# KiCad board TEST.kicad_pcb (continued)
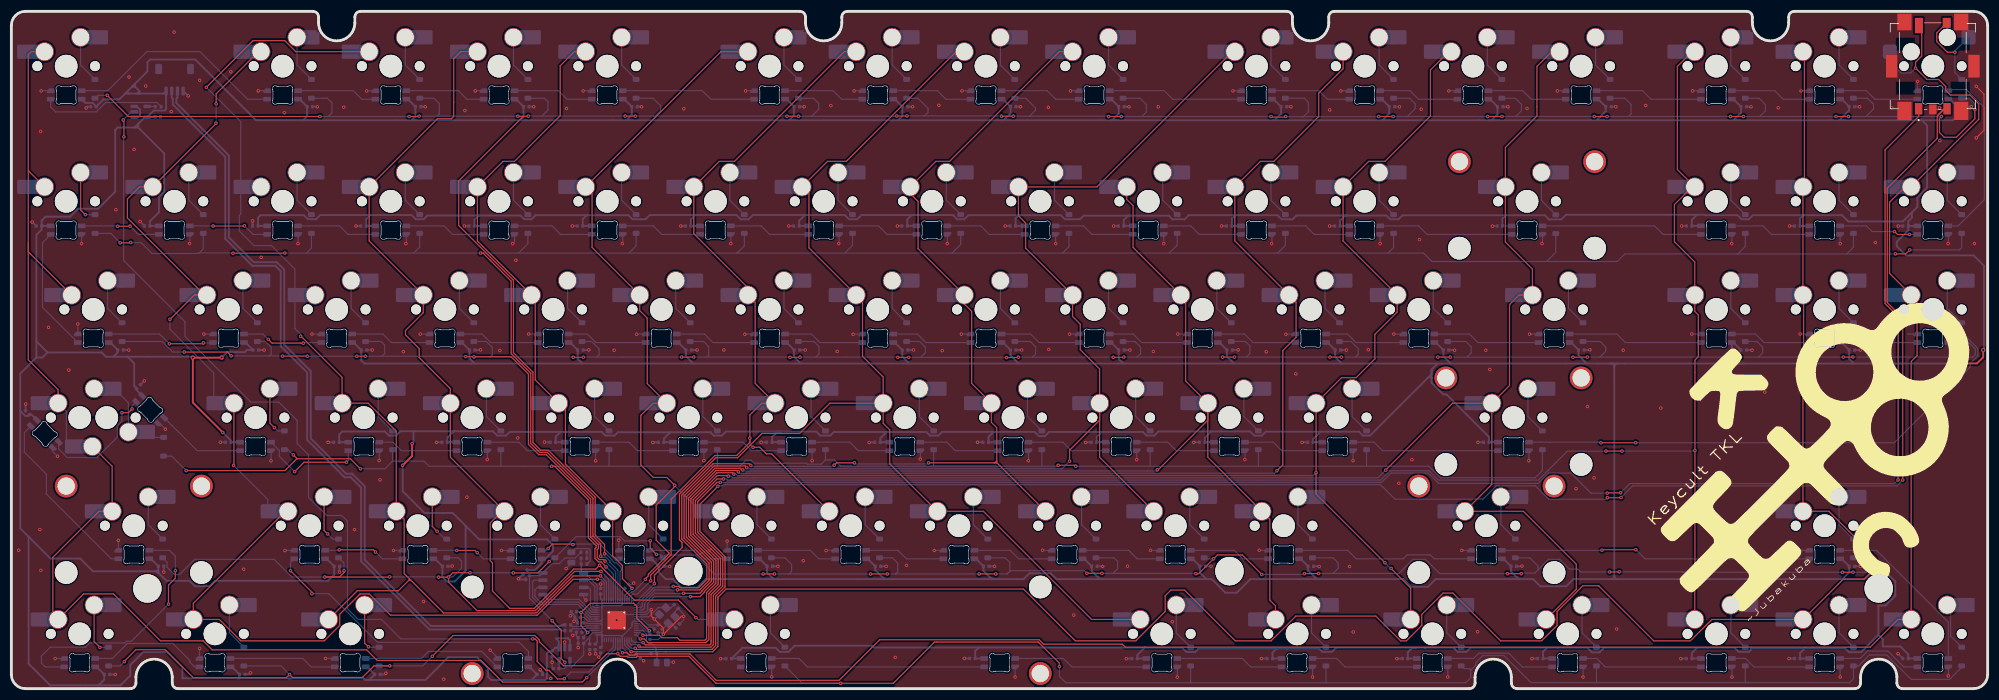
[diagram p0: board, top side]
## Routing (per net, layer and track width the routed paths; a pad name or vN(x,y) marks a point on that pad's centre or on a via; arc(x,y) is an arc through that point) (continued)
/CS_: length 10.6
  Bottom w0.2: U3.56 103.12,18.23 100.97,20.38 100.76,20.38 100.31,20.83 R5.2 100.3,21.95 R4.2 ; 100.34,20.37 100.33,20.38 100.33,21.4
/D+: length 139.6
  Bottom w0.33: R6.2 96.98,11.23 96.79,11.05 73.86,11.05 62.2,22.7 62.2,35.66 60,37.87 58.92,37.87 52.7,44.08 52.7,55.94 48.04,60.6 48.04,73.81 46.73,75.13 42.67,75.13 38.28,79.51 38.28,93.94 29.05,103.17 29.05,103.93 29.23,104.12 J1.3
/D-: length 140.6
  Bottom w0.33: J1.2 28.23,104.12 28.42,103.93 28.42,102.91 37.65,93.68 37.65,79.25 42.41,74.5 46.47,74.5 47.41,73.55 47.41,60.34 52.07,55.68 52.07,43.82 58.66,37.24 59.74,37.24 61.57,35.4 61.57,22.44 73.6,10.42 96.79,10.42 96.98,10.23 R7.1
/RGBD: length 22.2
  Bottom w0.2: R1.2 25.61,103.26 16.61,103.26 14.95,101.6 7.78,101.6 6.93,102.46 LED1.3
/ROTDI: length 17.1
  Top w0.2: S1.E 338.95,115.53 338.95,113.98 340.82,112.11 v1(342.14,112.11)
  Bottom w0.2: 342.14,112.33 v1(342.14,112.11) ; 342.14,112.33 MX16.2 ; 342.14,112.33 342.14,108.51 D16.2
/RUN_: length 7.9
  Bottom w0.2: TP1.2 113.65,4.68 R2.2 ; U3.26 110.43,10.26 110.43,10.26 111.18,10.26 111.8,9.64 111.8,8.33 112.21,7.92 112.74,7.92 113.49,7.17 113.49,6.47
/SCLK_: length 15
  Bottom w0.2: U3.52 102.07,13.06 99.89,15.24 93.17,15.24 92.18,16.23 92.18,17.44 92.2,17.44 92.6,17.84 93.55,17.84
/SD0_: length 10.9
  Bottom w0.2: 102.57,13.46 102.24,13.46 99.96,15.74 94.39,15.74 93.55,16.57 ; 102.57,13.46 102.65,13.46 ; 102.57,13.46 U3.53
/SD1_: length 6.9
  Bottom w0.2: U3.55 102.57,14.26 102.38,14.45 102.38,14.86 102.72,15.19 102.72,17.96 101.57,19.11 100.76,19.11
/SD2_: length 5.8
  Bottom w0.2: U3.54 102.45,13.86 102.42,13.89 102.38,13.89 101.93,14.34 101.93,17.48 101.57,17.84 100.76,17.84
/SD3_: length 17.4
  Bottom w0.2: 93.55,19.11 92.02,19.11 91.77,18.86 91.77,16.06 93,14.84 99.73,14.84 101.89,12.68 101.89,12.66 U3.51
/VFused_: length 2524.8
  Top w0.33: v2(37.01,58.33) 36.99,58.31 v2(31.95,58.31) 31.95,50.41 v1(37.23,45.13) ; v1(68.89,39.35) 70.55,41.01 v1(70.55,43.14) ; v2(342.89,57.3) 346.05,57.3 347.13,58.38 347.13,59.66
  Bottom w0.2: 171.26,5.33 LED90.1 ; LED31.1 264.08,81.5 C-RGB31.2 ; 342.86,57.27 v2(342.89,57.3)
  Bottom w0.33: 230.45,45.27 237.25,45.27 237.94,44.58 239.19,44.58 249.51,54.9 ; 230.45,45.27 229.17,43.99 C-RGB64.2 229.19,43.42 LED64.1 ; 230.45,45.27 220.83,45.27 220.12,44.56 218.82,44.56 218.07,45.31 211.18,45.31 ; 282.18,19.81 282.18,56.7 ; 282.18,19.81 282.18,19.78 arc(282.04,19.43) 281.69,19.29 ; 282.18,19.81 282.18,19.29 ; 282.18,19.81 arc(282.33,19.44) 282.7,19.29 282.77,19.29 ; 260.06,100.13 279.16,100.13 ; 260.06,100.13 241.46,100.13 ; 260.06,100.13 260.58,100.13 261.62,101.16 C-RGB12.2 260.31,103.83 LED12.1 ; 20.45,58.48 21.62,57.31 21.62,53.28 C-RGB52.2 22.04,52.59 LED52.1 ; 20.45,58.48 31.78,58.48 v2(31.95,58.31) ; 20.45,58.48 18.09,58.48 ; 3.03,26.78 1.57,28.24 1.57,48.93 ; 3.03,26.78 3.03,4.4 6.84,0.59 15.35,0.59 ; 3.03,26.78 6.89,22.92 12.12,22.92 14.36,20.67 25.52,20.67 ; 39.8,1.82 40.08,1.82 ; 39.8,1.82 30.11,1.82 30.11,3.81 27.45,6.47 23.24,6.47 20.94,4.17 20.94,2.32 19.21,0.59 15.35,0.59 ; 39.8,1.82 39.89,1.82 40.08,2.01 ; 40.08,1.82 40.08,2.01 ; 40.08,1.82 61.92,1.82 61.95,1.85 62.27,1.53 62.76,1.53 ; 22.56,105.25 22.26,104.95 22.26,104.83 ; 22.56,105.25 21.77,106.04 ; 22.56,105.25 22.56,104.83 ; 296.76,83.47 296.73,83.47 295.84,82.58 C-RGB32.2 295.86,81.52 LED32.1 ; 296.76,83.47 273.66,83.47 272.85,82.66 270.69,82.66 269.96,83.39 263.09,83.39 ; 296.76,83.47 298.14,83.47 298.21,83.4 303.9,83.4 304.62,82.68 305.87,82.68 306.59,83.4 315.76,83.4 ; 78.05,45.34 77.87,45.34 77.69,45.16 ; 78.05,45.34 84.77,45.34 85.53,44.58 87.08,44.58 87.73,45.23 96.61,45.23 ; 78.05,45.34 77.69,45.34 ; 322.35,19.29 322.35,19.31 323.54,20.5 C-RGB78.2 322.22,22.87 LED78.1 ; 322.35,19.29 322.37,19.27 326.24,19.27 327.53,20.57 329.94,20.57 331.65,18.86 331.65,16.44 331.65,16.44 331.65,16.36 329.94,14.65 328.68,14.65 328.68,9.48 ; 322.35,19.29 282.77,19.29 ; 250.02,54.72 249.84,54.9 249.51,54.9 ; 250.02,54.72 250.02,53.91 252.1,51.83 252.64,51.83 260.12,44.34 C-RGB65.2 260.14,43.42 LED65.1 ; 250.02,54.72 250.02,56.04 ; 154.06,45.21 161.09,45.21 161.72,44.58 163.18,44.58 163.83,45.23 172.85,45.23 ; 154.06,45.21 144.8,45.21 144.17,44.58 142.4,44.58 141.7,45.28 135.52,45.28 ; 154.06,45.21 154.06,45.2 152.97,44.11 C-RGB60.2 152.99,43.42 LED60.1 ; LED70.1 112.67,22.87 C-RGB70.2 113.98,20.5 115.19,19.29 116.47,19.29 117.98,17.78 120.75,17.78 122.25,19.29 134.2,19.29 ; 304.98,57.27 324.38,57.27 ; 304.98,57.27 304.15,57.27 302.89,58.53 LED49.1 303.17,60.97 C-RGB49.2 ; 304.98,57.27 282.75,57.27 ; 303.26,100.13 321.86,100.13 ; 303.26,100.13 303.26,100.2 304.49,101.43 C-RGB14.2 303.17,103.83 LED14.1 ; 303.26,100.13 279.16,100.13 ; LED27.1 195.85,81.52 C-RGB27.2 195.83,82.57 196.58,83.33 196.96,83.33 ; 120.46,83.44 112.38,83.44 111.63,82.68 109.35,82.68 108.64,83.4 101.26,83.4 ; 120.46,83.44 120.4,83.44 119.63,82.67 C-RGB23.2 119.65,81.52 LED23.1 ; 120.46,83.44 127.65,83.44 128.4,82.68 129.79,82.68 130.55,83.44 139.86,83.44 ; 211.18,45.31 211.18,45.26 210.12,44.2 C-RGB63.2 210.14,43.42 LED63.1 ; 211.18,45.31 201.95,45.31 201.22,44.58 199.84,44.58 199.22,45.21 199.22,45.22 191.91,45.22 ; 79.97,28.67 77.69,30.95 72.72,30.95 68.89,34.78 v1(68.89,39.35) ; 79.97,28.67 82.35,26.29 94.31,26.29 95.36,25.24 95.36,24.22 94.01,22.87 LED69.1 93.34,22.02 92.19,20.87 C-RGB69.2 ; 79.97,28.67 79.97,20.81 78.04,18.88 76.68,18.88 75.88,19.68 C-RGB68.2 74.57,22.87 LED68.1 ; 20.38,105.18 20.61,104.95 20.61,104.83 ; 20.38,105.18 21.24,106.04 ; 20.38,105.18 20.03,104.83 ; 139.86,83.44 139.7,83.44 138.68,82.42 C-RGB24.2 138.7,81.52 LED24.1 ; 139.86,83.44 146.7,83.44 147.45,82.68 148.92,82.68 149.66,83.43 159.06,83.43 ; LED54.1 38.69,43.42 C-RGB54.2 38.67,43.69 v1(37.23,45.13) ; 321.86,100.13 321.86,100.2 323.54,101.88 C-RGB15.2 322.22,103.83 LED15.1 ; 321.86,100.13 336.33,100.13 ; 281.42,57.27 277.33,57.27 ; 281.42,57.27 281.61,57.27 arc(282.01,57.1) 282.18,56.7 ; 281.42,57.27 282.12,57.27 ; 138.96,57.27 137.79,58.43 C-RGB41.2 136.48,60.97 LED41.1 ; 138.96,57.27 158.07,57.27 ; 138.96,57.27 120.04,57.27 ; 215.46,83.4 214.88,82.82 C-RGB28.2 214.9,81.52 LED28.1 ; 215.46,83.4 222.91,83.4 223.63,82.68 225.57,82.68 226.23,83.35 235.16,83.35 ; 215.46,83.4 207.26,83.4 206.54,82.68 204.4,82.68 203.76,83.33 196.96,83.33 ; LED71.1 131.72,22.87 C-RGB71.2 133.03,20.46 134.2,19.29 ; 282.18,19.29 282.77,19.29 ; 282.18,19.29 281.69,19.29 ; 120.04,57.27 100.5,57.27 ; 120.04,57.27 118.74,58.57 C-RGB40.2 117.43,60.97 LED40.1 ; 193.66,100.13 222.16,100.13 ; 193.66,100.13 193.78,100.13 194.95,101.29 C-RGB9.2 193.63,103.83 LED9.1 ; 193.66,100.13 174.26,100.13 ; 100.5,57.27 99.69,58.08 C-RGB39.2 98.38,60.97 LED39.1 ; 100.5,57.27 81.58,57.27 ; 89.56,100.13 70.46,100.13 ; 89.56,100.13 90.17,100.73 C-RGB4.2 88.85,103.83 LED4.1 ; 89.56,100.13 108.26,100.13 ; LED88.1 314.91,5.32 314.89,5.3 314.89,6.27 315.72,7.1 ; LED75.1 207.92,22.87 C-RGB75.2 209.23,20.45 210.39,19.29 ; 336.33,100.13 337.26,99.2 337.26,88.26 335.54,86.53 335.54,84.85 334.57,83.89 ; 336.33,100.13 341.78,100.13 342.59,100.93 C-RGB16.2 341.27,103.83 LED16.1 ; 296.74,7.19 280.15,7.19 280.15,6.96 279.57,6.38 278.28,6.38 277.45,7.21 270.35,7.21 ; 296.74,7.19 303.39,7.19 304.1,6.48 305.87,6.48 306.21,6.82 306.21,6.96 306.35,7.1 315.72,7.1 ; 296.74,7.19 295.84,6.29 C-RGB87.2 295.86,5.32 LED87.1 ; 158.07,57.27 177.32,57.27 ; 158.07,57.27 156.85,58.49 C-RGB42.2 155.53,60.97 LED42.1 ; 153.68,19.29 152.08,20.89 C-RGB72.2 150.77,22.87 LED72.1 ; 153.68,19.29 173.25,19.29 ; 153.68,19.29 134.2,19.29 ; 191.62,19.29 183.98,19.29 182.96,20.31 179.21,20.31 178.19,19.29 173.25,19.29 ; 191.62,19.29 210.39,19.29 ; 191.62,19.29 190.18,20.73 C-RGB74.2 188.87,22.87 LED74.1 ; 40.08,2.01 40.16,2.09 C-RGB80.2 38.85,3.82 LED80.1 ; C-RGB17.2 5.33,80.87 4.41,79.95 4.41,61.18 ; C-RGB17.2 5.33,82.47 6.01,83.15 10.36,83.15 11.76,84.55 15.28,84.55 18.28,87.55 18.28,98.45 18.31,98.45 18.71,98.85 21.68,98.85 ; C-RGB17.2 5.35,81.52 LED17.1 ; 101.26,83.4 92.28,83.4 92.28,83.41 91.56,82.68 90.28,82.68 89.58,83.38 89.56,83.35 82.36,83.35 ; 101.26,83.4 100.58,82.72 C-RGB22.2 100.6,81.52 LED22.1 ; 81.58,57.27 80.64,58.21 C-RGB38.2 79.33,60.97 LED38.1 ; 81.58,57.27 62.14,57.27 61.59,57.82 C-RGB37.2 60.28,60.97 LED37.1 ; 315.72,7.1 322.83,7.1 323.51,6.42 325.62,6.42 328.68,9.48 ; 21.77,106.04 21.51,106.3 ; 21.77,106.04 21.77,106.57 ; 21.77,106.04 21.24,106.04 ; 21.51,106.3 21.77,106.57 ; 21.51,106.3 21.24,106.04 ; 82.36,83.35 73.26,83.35 72.59,82.68 71.2,82.68 70.46,83.43 63.16,83.43 ; 82.36,83.35 82.31,83.35 81.53,82.57 C-RGB21.2 83.11,81.5 LED21.1 ; 25.87,20.43 25.77,20.43 25.52,20.67 ; 25.87,20.43 27.3,19 31.36,19 32.32,18.03 34.91,18.03 35.88,19 55.75,19 56.83,20.08 C-RGB67.2 55.52,22.87 LED67.1 ; 25.87,20.43 25.87,20.67 ; 172.85,45.23 180.13,45.23 180.88,44.48 181.94,44.48 182.68,45.22 191.91,45.22 ; 172.85,45.23 172.85,45.17 172.02,44.34 C-RGB61.2 173.59,43.4 LED61.1 ; 22.26,104.83 20.61,104.83 ; 22.26,104.83 22.56,104.83 ; 20.61,104.83 20.03,104.83 ; 96.61,45.23 96.61,45.17 95.82,44.38 C-RGB57.2 95.84,43.42 LED57.1 ; 96.61,45.23 103.93,45.23 104.58,44.58 106.18,44.58 106.77,45.17 115.99,45.17 ; 62.76,1.53 72.9,1.53 76.88,5.51 82.03,5.51 83.93,3.61 83.93,2.09 84.5,1.52 91.32,1.52 ; 62.76,1.53 63,1.53 C-RGB81.2 62.66,3.82 LED81.1 ; LED47.1 250.78,60.97 C-RGB47.2 252.1,58.55 253.38,57.27 ; 22.33,98.85 26.91,94.28 26.91,87.55 25.98,86.62 25.98,83.92 24.38,82.32 C-RGB18.2 24.4,81.52 LED18.1 ; 22.33,98.85 22.33,99.5 22.46,99.63 ; 22.33,98.85 22.01,99.18 ; 22.33,98.85 21.68,98.85 ; 156.06,100.13 136.86,100.13 ; 156.06,100.13 174.26,100.13 ; 156.06,100.13 156.85,100.91 C-RGB7.2 155.53,103.83 LED7.1 ; 70.79,45.34 70.79,43.38 v1(70.55,43.14) ; 70.79,45.34 68.5,45.34 67.74,44.58 66.48,44.58 65.77,45.29 58.24,45.29 57.72,44.77 C-RGB55.2 57.74,43.42 LED55.1 ; 70.79,45.34 77.69,45.34 ; 173.25,19.29 172.59,19.29 171.13,20.75 C-RGB73.2 169.82,22.87 LED73.1 ; 174.26,100.13 174.68,100.13 175.9,101.34 C-RGB8.2 174.58,103.83 LED8.1 ; 196.96,83.33 188.78,83.33 188.14,82.68 185.48,82.68 184.76,83.4 177.76,83.4 ; 333.96,81.52 C-RGB34.2 ; C-RGB34.2 335.52,81.5 LED34.1 ; C-RGB34.2 333.94,82.36 334.57,82.99 334.57,83.89 ; C-RGB34.2 333.94,80.75 331.9,78.71 331.9,77.97 333.54,76.32 345.45,76.32 347.26,74.51 347.26,59.66 347.13,59.66 ; 250.94,57.27 250.94,57.13 250.02,56.21 250.02,56.04 ; 250.94,57.27 234.19,57.27 ; 250.94,57.27 253.38,57.27 ; 4.41,58.34 4.41,61.18 ; 4.41,58.34 1.57,55.5 1.57,48.93 ; 4.41,58.34 5.47,58.34 6.36,59.23 ; 4.41,61.18 6.36,59.23 ; 170.29,7.24 199.53,7.24 ; 170.29,7.24 151.8,7.24 151.48,7.56 137.88,7.56 136.8,6.48 135.27,6.48 134.56,7.19 128.69,7.19 C-RGB92.2 126.82,5.32 LED92.1 ; 170.29,7.24 169.68,6.63 C-RGB90.2 169.69,5.32 LED90.1 ; 199.53,7.24 198.21,5.92 C-RGB83.2 198.23,5.32 LED83.1 ; 199.53,7.24 206.1,7.24 206.89,6.45 208.39,6.45 208.97,7.03 222.7,7.03 ; LED2.1 50.75,103.83 C-RGB2.2 52.07,100.83 51.36,100.13 ; 281.69,19.29 274.98,19.29 273.72,18.03 269.16,18.03 267.91,19.29 265.35,19.29 ; 215.22,57.27 234.19,57.27 ; 215.22,57.27 195.73,57.27 ; 215.22,57.27 214,58.49 C-RGB45.2 212.68,60.97 LED45.1 ; LED48.1 274.6,60.97 C-RGB48.2 275.91,58.69 277.33,57.27 ; 115.99,45.17 115.99,45.16 114.87,44.04 C-RGB58.2 114.89,43.42 LED58.1 ; 115.99,45.17 123.14,45.17 123.14,45.09 123.64,44.58 125.08,44.58 125.78,45.28 135.52,45.28 ; LED51.1 341.27,60.97 C-RGB51.2 342.59,57.6 v2(342.89,57.3) ; 108.26,100.13 136.86,100.13 ; 108.26,100.13 109.22,101.08 C-RGB5.2 107.91,103.83 LED5.1 ; 136.86,100.13 137.76,101.03 137.76,102.48 C-RGB6.2 136.48,103.83 LED6.1 ; 222.7,7.03 230.25,7.03 230.8,6.48 232.46,6.48 233.18,7.2 247.28,7.2 ; 222.7,7.03 222.02,6.35 C-RGB84.2 222.04,5.32 LED84.1 ; 247.28,7.2 246.62,7.2 245.84,6.42 C-RGB85.2 245.86,5.32 LED85.1 ; 247.28,7.2 254.02,7.2 254.06,7.24 254.06,7.03 254.61,6.48 256.15,6.48 256.88,7.21 270.35,7.21 ; 177.76,83.4 168.48,83.4 167.77,82.68 166.5,82.68 165.86,83.33 165.86,83.43 159.06,83.43 ; 177.76,83.4 177.36,83.4 176.78,82.82 C-RGB26.2 178.36,81.5 LED26.1 ; 6.36,59.23 15.91,59.23 16.66,58.48 18.09,58.48 ; 334.57,83.89 332.98,82.3 323.39,82.3 322.23,83.45 322.18,83.4 315.76,83.4 ; 270.35,7.21 269.65,6.51 C-RGB86.2 269.67,5.32 LED86.1 ; 12.65,103.83 LED1.1 13.01,103.19 14.32,103.19 14.93,102.59 C-RGB1.2 16.21,103.8 19.01,103.8 20.03,104.83 ; 315.76,83.4 315.46,83.4 314.89,82.83 314.89,81.5 316.47,81.5 LED33.1 ; 15.35,0.59 15.35,0.6 16.35,1.6 C-RGB79.2 15.03,3.82 LED79.1 ; LED50.1 322.22,60.97 C-RGB50.2 323.54,58.11 324.38,57.27 ; 77.69,45.16 76.77,44.24 C-RGB56.2 76.79,43.42 LED56.1 ; 77.69,45.16 77.69,45.34 ; 282.18,56.7 282.18,57.21 282.12,57.27 ; 282.18,56.7 arc(282.35,57.1) 282.75,57.27 ; 63.16,83.43 63.16,83.4 62.48,82.72 C-RGB20.2 62.5,81.52 LED20.1 ; 63.16,83.43 54.38,83.43 53.64,82.68 52.2,82.68 51.49,83.4 43.86,83.4 43.43,82.97 C-RGB19.2 43.45,81.52 LED19.1 ; 191.91,45.22 191.91,45.21 191.07,44.37 C-RGB62.2 191.09,43.42 192.66,43.42 ; 18.09,58.48 18.09,58.61 18.73,59.25 C-RGB35.2 17.41,60.97 LED35.1 ; 279.16,100.13 279.16,100.2 280.67,101.71 C-RGB13.2 279.36,103.83 LED13.1 ; LED10.1 222.21,103.83 C-RGB10.2 223.52,101.26 222.38,100.13 222.16,100.13 ; LED25.1 157.75,81.52 C-RGB25.2 157.73,82.67 158.48,83.43 159.06,83.43 ; 51.36,100.13 43.08,100.13 32.38,110.83 24.43,110.83 23.95,110.34 23.95,108.74 21.77,106.57 ; 51.36,100.13 70.46,100.13 ; 25.87,20.67 25.52,20.67 ; 25.87,20.67 25.87,20.91 ; 25.52,20.67 25.63,20.67 25.87,20.91 ; 135.52,45.28 134.87,45.28 133.92,44.33 C-RGB59.2 133.94,43.42 135.51,43.42 ; 22.56,104.83 26.78,104.83 J1.1 27.23,102.06 27,101.83 25.07,101.83 U1.5 ; 22.01,99.18 21.68,98.85 ; 22.01,99.18 22.46,99.63 ; 91.32,1.52 91.57,1.52 C-RGB82.2 91.23,3.82 LED82.1 ; 91.32,1.52 94,1.52 94.27,1.79 94.27,6.19 94.72,6.64 C18.1 95.77,7.21 U4.1 96.44,8.31 96.43,8.31 95.88,8.86 98.04,8.86 98.34,8.56 U4.3 ; U1.5 23.96,100.73 C1.2 ; U1.5 23.5,100.67 22.46,99.63 ; 328.68,9.48 329.46,8.7 329.46,7.43 332.55,7.43 333.94,6.04 C-RGB89.2 333.96,5.32 LED89.1 ; 253.38,57.27 277.33,57.27 ; LED11.1 241.26,103.83 C-RGB11.2 242.57,101.31 241.46,100.2 241.46,100.13 ; 1.57,48.93 2.44,48.05 2.96,48.05 C-RGB53.2 3.54,48.27 LED53.1 ; 282.12,57.27 282.75,57.27 ; 234.19,57.27 233.05,58.41 C-RGB46.2 231.73,60.97 LED46.1 ; 195.73,57.27 194.95,58.05 C-RGB44.2 193.63,60.97 LED44.1 ; 195.73,57.27 177.32,57.27 ; 177.32,57.27 175.9,58.69 C-RGB43.2 174.58,60.97 LED43.1 ; 265.35,19.29 264,20.64 C-RGB77.2 262.69,22.87 LED77.1 ; 265.35,19.29 250.75,19.29 249.4,17.94 246.43,17.94 245.08,19.29 229.8,19.29 ; 25.87,20.91 C-RGB66.2 24.56,22.87 LED66.1 ; LED36.1 41.23,60.97 C-RGB36.2 41.44,59.65 41.07,59.28 37.96,59.28 v2(37.01,58.33) ; 241.46,100.13 222.16,100.13 ; 229.8,19.29 228.28,20.81 C-RGB76.2 226.97,22.87 LED76.1 ; 229.8,19.29 218.13,19.29 215.74,16.9 213.7,16.9 211.32,19.29 210.39,19.29 ; 263.09,83.39 262.51,82.82 C-RGB31.2 ; 263.09,83.39 244.91,83.39 244.21,82.68 242.7,82.68 242.04,83.35 235.16,83.35 ; 235.16,83.35 234.81,83.35 233.93,82.47 C-RGB29.2 233.95,81.52 LED29.1 ; 324.38,57.27 342.86,57.27 ; 250.02,56.04 250.02,55.41 249.51,54.9 ; LED3.1 69.8,103.83 C-RGB3.2 71.12,100.78 70.46,100.13
  vias: v2(347.13,59.64)
/XIN_: length 7.6
  Bottom w0.2: U3.20 112.25,12.66 113.85,14.26 Y1.3 116.14,14.26 C20.2
/XOUT_: length 4.3
  Bottom w0.2: U3.21 110.97,12.26 112.01,11.22 R8.2
GP0: length 220.3
  Top w0.2: MX2.1 43.48,112.2 36.06,104.79 v1(36.06,103.01) ; v1(27.92,65.06) 32.2,69.34 MX36.1 34,69.34 20.43,82.91 20.43,86.26 22.56,88.39 MX18.1 36.02,99.52 v1(36.02,99.63) ; v1(39.12,39.33) 39.18,39.39 MX54.1 ; 48.7,31.24 48.24,31.24 32.03,15.03 MX80.1 36.62,12.19 40.39,8.42 55.08,8.42 57.8,11.14 57.8,13.09 61.39,16.68 63,16.68 66.74,12.94 92.57,12.94 98.89,19.26 v1(103.17,19.26)
  Bottom w0.2: v1(36.06,103.01) 36.06,99.67 v1(36.02,99.63) ; U3.2 104.36,18.66 103.76,19.26 v1(103.17,19.26) ; MX54.1 35.63,55.61 27.92,63.32 v1(27.92,65.06) ; v1(39.12,39.33) 45.15,33.3 MX67.1
GP1: length 203.8
  Top w0.2: v1(103.73,19.86) 98.92,19.86 92.4,13.34 76.1,13.34 70.34,19.1 ; 70.09,19.35 70.09,19.2 69.99,19.1 ; 70.09,19.35 69.15,20.29 69.15,29.84 MX68.1 67.75,45.35 62.81,50.29 MX55.1 58.23,54.86 51.02,62.06 v1(50.94,62.06) ; 70.09,19.35 70.34,19.1 ; 70.34,19.1 69.99,19.1 ; 69.99,19.1 68.14,17.25 60.91,17.25 MX81.1 ; v1(34.33,105.93) 42.55,114.15 48.12,114.15 50.07,112.2 MX3.1
  Bottom w0.2: MX19.1 MX19.1 ; MX19.1 40.39,83.63 40.13,83.37 40.13,80.63 42.72,78.04 45.8,78.04 49.92,73.92 MX37.1 49.92,63.43 50.94,62.41 v1(50.94,62.06) ; MX19.1 40.39,99.87 v1(34.33,105.93) ; v1(103.73,19.86) 104.76,18.83 U3.3
GP2: length 414.5
  Top w0.2: v1(208.54,20.26) 209.03,20.26 v1(211.64,22.87) ; v1(230.15,20.29) 230.13,20.27 v1(227.63,20.27) ; v1(211.64,22.87) 211.64,22.9 ; v1(211.64,22.87) 212.32,23.55 216.7,23.55 v1(220.13,20.12) ; v1(76.96,19.66) 77.72,20.42 v1(80.74,20.42) ; v1(76.96,19.66) 76.96,18.75 81.97,13.74 92.23,13.74 99.15,20.66 v1(103.78,20.66) ; v1(76.96,19.66) 76.94,19.64 v1(75.22,19.64) ; v1(170.37,20.2) v1(173.31,20.2) ; v1(263.37,20.26) 265.79,20.26 v1(265.79,20.26) ; v1(322.35,20.51) v1(324.2,20.51) ; v1(281.37,20.55) 283.02,20.55 v1(283.05,20.58) ; v1(88.38,20.39) 92.69,20.39 v1(94.68,22.38) ; v1(112.48,26.04) 112.48,24.74 v1(113.57,23.65) ; v1(151.26,20.2) v1(154.21,20.2) ; v1(66.59,19.69) 66.56,19.67 v1(55.16,19.67) 57.76,19.67 58.56,20.46 v1(58.56,20.76) ; v1(191.98,20.31) 191.97,20.32 v1(189.34,20.32) ; v1(132.34,20.2) v1(134.33,20.2)
  Bottom w0.2: v1(88.38,20.39) 88.35,20.42 v1(80.74,20.42) ; v1(220.13,20.12) 227.48,20.12 v1(227.63,20.27) ; v1(112.48,26.04) 107.92,26.04 107.2,26.76 99.4,26.76 D69.1 95.35,23.05 v1(94.68,22.38) ; 155.67,20.2 156.04,20.57 156.04,22.11 155.1,23.05 D72.1 ; 155.67,20.2 v1(170.37,20.2) ; 155.67,20.2 v1(154.21,20.2) ; 294.24,20.58 294.31,20.51 v1(322.35,20.51) ; 294.24,20.58 294.36,20.58 ; 294.24,20.58 v1(283.05,20.58) ; 175.3,20.2 175.78,20.68 175.78,22.23 174.96,23.05 D73.1 ; 175.3,20.2 175.88,20.78 188.88,20.78 v1(189.34,20.32) ; 175.3,20.2 v1(173.31,20.2) ; 268.75,20.92 268.75,21.61 267.31,23.05 D77.1 ; 268.75,20.92 270.62,22.79 272.56,22.79 274.28,21.07 275.74,21.07 276.26,20.55 v1(281.37,20.55) ; 268.75,20.92 268.19,20.36 265.89,20.36 v1(265.79,20.26) ; 136.87,20.2 v1(151.26,20.2) ; 136.87,20.2 v1(134.33,20.2) ; 136.87,20.2 137.35,20.68 137.35,21.87 136.17,23.05 D71.1 ; v1(263.37,20.26) 263.36,20.27 251.44,20.27 248.92,22.79 246.76,22.79 244.26,20.29 232.67,20.29 ; v1(76.96,19.66) 77.67,19.66 79.26,21.25 79.26,22.46 78.67,23.05 D68.1 ; v1(103.78,20.66) 105.16,19.28 U3.4 ; D78.1 326.14,23.05 327.2,21.99 327.2,21.17 326.54,20.51 v1(324.2,20.51) ; v1(113.57,23.65) 114.15,23.65 D70.1 115.24,23.55 120.37,23.55 123.72,20.2 v1(132.34,20.2) ; v1(211.64,22.87) 210.18,22.87 D75.1 ; D66.1 27.41,22.27 27.41,21.37 28.69,20.1 29.59,20.1 32.28,22.79 46.27,22.79 49.39,19.67 v1(55.16,19.67) ; v1(191.98,20.31) 193.94,20.31 ; 193.94,20.31 208.49,20.31 v1(208.54,20.26) ; 193.94,20.31 194.75,21.12 194.75,22.42 194.12,23.05 D74.1 ; 232.67,20.29 v1(230.15,20.29) ; 232.67,20.29 233.58,21.2 233.58,22.16 232.69,23.05 D76.1 ; v1(66.59,19.69) 66.6,19.7 75.15,19.7 v1(75.22,19.64) ; D67.1 58.56,22.08 v1(58.56,20.76)
GP3: length 174.5
  Top w0.2: v1(120.51,12.51) 117.42,15.6 109.69,15.6 v1(103.55,21.74) 102.87,21.06 98.99,21.06 92.07,14.14 87.72,14.14 84.7,17.16 84.7,22.15 84.31,22.54 84.31,29.21 86.34,31.24 MX69.1 77.28,40.76 MX56.1 77.28,52.85 71.8,58.33 71.8,59.92 69.38,62.34 69.38,63.09 72.53,66.24 72.52,66.25 MX38.1 62.99,78.86 MX20.1 74.99,100.39 77.46,100.39 77.86,100.79 77.86,103.28 77.87,103.29 77.87,110.97 79.1,112.2 MX4.1
  Bottom w0.2: U3.5 105.56,19.73 v1(103.55,21.74) ; v1(120.51,12.51) 120.83,12.19 MX82.1
GP4: length 312.1
  Top w0.2: v1(95.11,39.18) 95.64,39.18 101.58,33.25 101.58,26.55 102.94,25.19 102.94,24.86 102.74,24.66 102.74,22.93 103.33,22.34 103.8,22.34 v1(104.68,21.45) ; 50.24,40.49 59.69,40.49 v1(61.45,38.73) ; 50.24,40.49 50.24,40.57 v1(49.65,41.16) ; 50.24,40.49 48.17,38.42 v1(30.77,38.42) ; v1(187.38,39.18) 187.22,39.34 v1(184.28,39.34)
  Bottom w0.2: D62.1 200.47,39.21 200.44,39.18 ; 67.12,40.08 D55.1 ; 67.12,40.08 65.77,38.73 v1(61.45,38.73) ; 67.12,40.08 72.62,40.08 73.52,39.18 86.23,39.18 ; 181.41,39.18 181.42,39.19 D61.1 ; 181.41,39.18 184.18,39.18 184.18,39.24 v1(184.28,39.34) ; 181.41,39.18 162.39,39.18 ; D53.1 28.23,40.96 v1(30.77,38.42) ; 105.21,39.18 86.23,39.18 ; 105.21,39.18 124.25,39.18 ; 105.21,39.18 105.22,39.19 D57.1 ; 219.57,39.18 238.65,39.18 ; 219.57,39.18 200.44,39.18 ; 219.57,39.18 219.52,39.23 D63.1 ; 238.65,39.18 249.54,39.18 251.57,37.15 268.26,37.15 269.52,38.41 D65.1 ; 238.65,39.18 238.57,39.26 D64.1 ; 200.44,39.18 v1(187.38,39.18) ; D54.1 48.71,42.1 v1(49.65,41.16) ; D60.1 162.37,39.2 162.39,39.18 ; 162.39,39.18 146.01,39.18 144.89,40.3 143.32,40.3 ; 86.23,39.18 86.17,39.24 D56.1 ; 143.32,40.3 142.57,39.55 140.13,39.55 139.97,39.71 130.75,39.71 130.21,40.25 129.33,40.25 128.26,39.18 124.25,39.18 ; 143.32,40.3 D59.1 ; v1(104.68,21.45) 105.96,20.18 U3.6 ; 124.25,39.18 124.27,39.2 D58.1
GP5: length 476
  Top w0.2: v1(195.86,58.4) 195.83,58.37 v1(193.97,58.37) ; v1(60.82,58.55) 62.3,58.55 v1(62.31,58.56) ; 341.53,58.41 v1(341.53,58.41) v1(343.64,58.41) 343.65,58.41 ; v1(302.03,58.41) v1(304.39,58.41) ; v1(253.3,58.39) 253.29,58.4 v1(251.12,58.4) ; v1(52.08,58.56) 52.06,58.58 v1(47.74,58.58) ; v1(232.14,58.4) v1(234.15,58.4) ; v1(156.05,58.36) v1(157.97,58.36) ; v1(137.08,58.37) 138.81,58.37 v1(138.84,58.4) ; v1(38.7,58.61) 38.01,59.3 v1(30.44,59.3) ; v1(324.2,58.42) 324.19,58.41 v1(322.51,58.41) ; v1(100.7,58.39) 100.69,58.38 v1(98.9,58.38) ; v1(120.12,58.42) 120.11,58.41 v1(118,58.41) ; v1(274.91,58.39) 277.43,58.39 v1(277.45,58.41) ; v1(175.2,58.33) 177.21,58.33 v1(177.27,58.39) ; v1(213.24,58.4) v1(215.31,58.4) ; v1(104.52,22.48) 104.25,22.74 103.49,22.74 103.14,23.09 103.14,24.48 103.34,24.68 103.34,25.36 101.98,26.72 101.98,33.41 94.18,41.21 92.85,41.21 91.03,43.03 91.03,55.41 87.98,58.45 v1(81.45,58.45) 81.41,58.49 v1(79.98,58.49)
  Bottom w0.2: 236.63,58.4 v1(251.12,58.4) ; 236.63,58.4 v1(234.15,58.4) ; 236.63,58.4 237.1,58.87 237.1,59.89 235.84,61.15 D46.1 ; D50.1 326.45,61.15 327.36,60.24 327.36,59.19 326.58,58.41 ; 217.41,58.4 v1(232.14,58.4) ; 217.41,58.4 218.04,59.03 218.04,60.37 217.26,61.15 D45.1 ; 217.41,58.4 v1(215.31,58.4) ; 307.56,58.41 308.3,59.15 308.3,60.15 307.3,61.15 D49.1 ; 307.56,58.41 v1(322.51,58.41) ; 307.56,58.41 v1(304.39,58.41) ; 103.06,58.42 100.73,58.42 v1(100.7,58.39) ; 103.06,58.42 117.99,58.42 v1(118,58.41) ; 103.06,58.42 103.47,58.83 103.47,59.82 102.14,61.15 D39.1 ; v1(157.97,58.36) 160.1,58.36 ; 160.1,58.36 175.17,58.36 v1(175.2,58.33) ; 160.1,58.36 160.9,59.16 160.9,60.16 159.91,61.15 D42.1 ; D38.1 83.62,61.15 84.66,60.11 84.66,58.82 84.29,58.45 ; D41.1 141.28,61.15 142.18,60.25 142.18,58.97 141.61,58.4 ; 84.29,58.45 98.83,58.45 v1(98.9,58.38) ; 84.29,58.45 v1(81.45,58.45) ; 256.22,58.39 256.99,59.16 256.99,60.23 256.07,61.15 D47.1 ; 256.22,58.39 v1(274.91,58.39) ; 256.22,58.39 v1(253.3,58.39) ; v1(52.08,58.56) 60.81,58.56 v1(60.82,58.55) ; v1(138.84,58.4) 141.61,58.4 ; 141.61,58.4 156.01,58.4 v1(156.05,58.36) ; v1(195.86,58.4) 198.18,58.4 ; 198.18,58.4 v1(213.24,58.4) ; 198.18,58.4 198.8,59.02 198.8,60.15 197.8,61.15 D44.1 ; v1(193.97,58.37) 193.95,58.39 179.76,58.39 ; v1(343.64,58.41) 343.65,58.41 345.31,58.41 345.74,58.84 345.74,59.81 344.4,61.15 D51.1 ; 326.58,58.41 341.52,58.41 ; 326.58,58.41 324.22,58.41 v1(324.2,58.42) ; 341.52,58.41 v1(341.53,58.41) ; 341.52,58.41 341.53,58.41 ; 65.22,58.56 79.91,58.56 v1(79.98,58.49) ; 65.22,58.56 v1(62.31,58.56) ; 65.22,58.56 65.72,59.06 65.72,60.51 65.08,61.15 D37.1 ; 279.65,58.41 v1(302.03,58.41) ; 279.65,58.41 v1(277.45,58.41) ; 279.65,58.41 280.68,59.44 280.68,60.18 279.71,61.15 D48.1 ; D36.1 44.72,61.15 45.74,60.13 45.74,58.94 45.41,58.61 45.33,58.61 ; D43.1 179.36,61.15 180.32,60.19 180.32,58.95 179.76,58.39 ; v1(177.27,58.39) 179.76,58.39 ; 122.43,58.42 137.03,58.42 v1(137.08,58.37) ; 122.43,58.42 v1(120.12,58.42) ; 122.43,58.42 122.76,58.75 122.76,60.25 121.86,61.15 D40.1 ; 45.33,58.61 38.7,58.61 v1(38.7,58.61) ; 45.33,58.61 47.71,58.61 v1(47.74,58.58) ; U3.7 106.36,20.63 v1(104.52,22.48) ; v1(30.44,59.3) 28.41,59.3 26.56,61.15 D35.1